# Altium PCB BLDC_DRIVER_1.2_AR.PcbDoc (part 3 of 3)
Units mil, origin at the board's own origin, x right, y up, seen from the top; angles counter-clockwise.
Board outline 6000 x 4990 mil, 4 copper layers (Top Layer, Signal Layer 1, Signal Layer 2, Bottom Layer), stack 33.334 mil thick; 219 components, 206 nets, 924 pads, 380 vias.
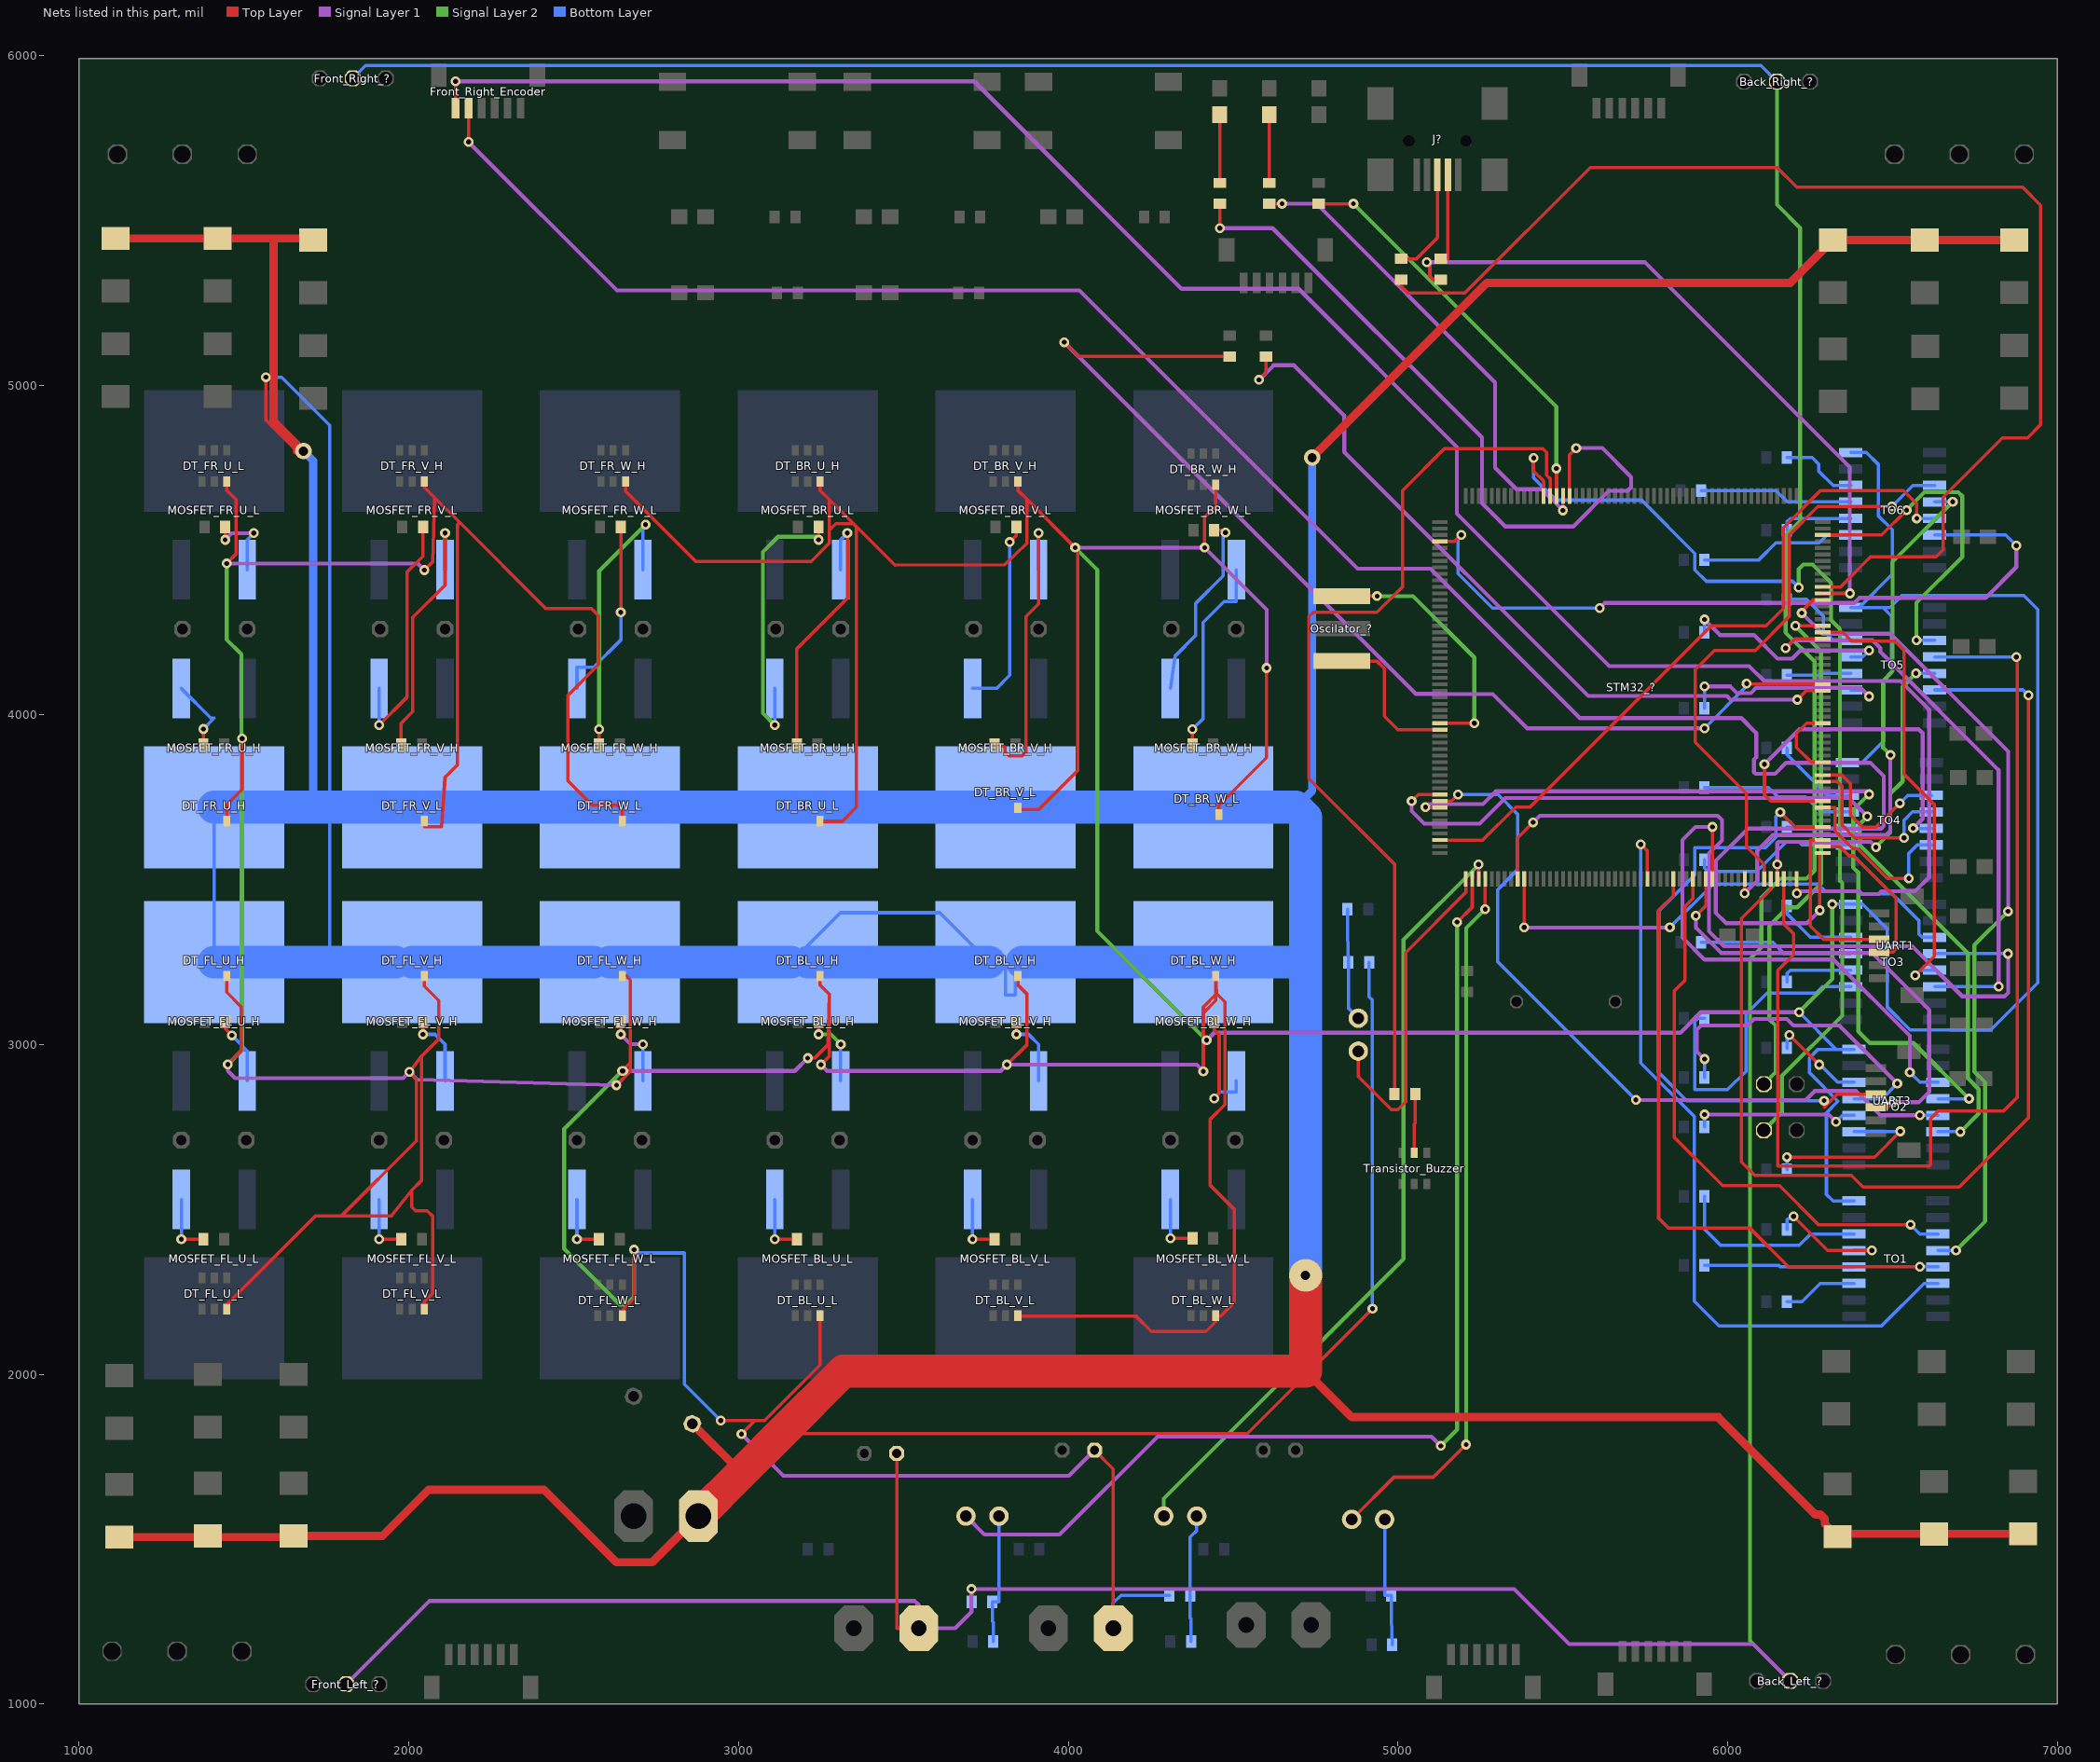
[diagram p5: the nets of this part, all layers, seen from the top]

## Via types
v1: diameter 30, hole 15, Top Layer to Bottom Layer, 359 vias
v2: diameter 50, hole 28, Top Layer to Bottom Layer, 14 vias
v3: diameter 160, hole 160, Top Layer to Bottom Layer, 4 vias
v4: diameter 59.06, hole 47.24, Top Layer to Bottom Layer, 2 vias
v5: diameter 100, hole 28, Top Layer to Bottom Layer, 1 vias

## Nets (pads, with @x,y where several pads share a name; then routed paths per layer and width w, separated by ;. In a path a pad name is that pad's centre, name@x,y a point inside that pad or via, vN(x,y) a via of type N, cw(c..) or ccw(c..) an arc to the next point about the centre after c; other vN are vias at no path point) (continued)
NetFront_Right_Encoder_5: Front_Right_Encoder.5 STM32_?.105 | length 6689.2
  Top Layer w10: v1(2181.34,5737) Front_Right_Encoder.5@2181.34,5839.61 ; v1(6280,3407) 6280,3580.94 STM32_?.105@6288.58,3580.94
  Signal Layer 1 w12: v1(2181.34,5737) 2631.34,5287 4034,5287 4878,4443 5099,4443 5552,3990 6042,3990 6087,3945 6087,3871 6080,3864 6080,3826 6085,3821 6144,3821 6177.67,3854.67 6433.33,3854.67 6474,3814 6474,3663 6466,3655 6062,3655 5963.99,3556.99 5963.99,3400 5995.99,3368 6241,3368 v1(6280,3407)
NetFront_Right_Encoder_6: Front_Right_Encoder.6 STM32_?.104 | length 6438.5
  Top Layer w10: Front_Right_Encoder.6@2141.97,5839.61 v1(2142,5921) ; STM32_?.104@6209.84,3502.2 6209.84,3459.16 v1(6210,3459)
  Signal Layer 1 w12: v1(2142,5921) 3715,5921 4344,5292 4699,5292 5179,4812 5179,4610 5641,4148 6065.58,4148 6111.39,4102.18 6524.53,4102.18 6612,4014.71 6612,3508 6569,3465 6466.33,3465 6458,3456.67 6408.33,3456.67 6400,3465 6216,3465 v1(6210,3459)
NetG_1: G.1 R180_LED_G.2 | length 207
  Top Layer w10: R180_LED_G.2@4610,5613 G.1@4610,5820
NetJ?_2: J?.2 R22_D-.2 | length 275.9
  Top Layer w10: R22_D-.2@5130,5383 5151.5,5383 J?.2@5151.5,5637.44
NetJ?_3: J?.3 R22_D+.2 | length 326.9
  Top Layer w10: R22_D+.2@5010,5383 5056,5383 5120,5447 J?.3@5120,5637.44
NetJP1_1: JP1.1 R_VMOT1.1 R_VMOT2.2 | length 342.5
  Bottom Layer w10: R_VMOT2.2@4847,3410 4847,3333 R_VMOT1.1@4850,3250 4850,3110 JP1.1@4880,3080
NetJP1_2: JP1.2 STM32_?.53 | length 1022.9
  Top Layer w10: JP1.2@4880,2980 4880,2903 4980,2803 5000,2803 5024,2827 5024,3279.09 5205.91,3461 STM32_?.53@5205.91,3502.2
NetJP2_1: JP2.1 R_VSERVO1.1 R_VSERVO2.2 | length 401.2
  Bottom Layer w10: R_VSERVO2.2@3773,1190 3773,1248 3770,1251 R_VSERVO1.1@3770,1310 3790,1310 JP2.1@3790,1570
NetJP2_2: JP2.2 STM32_?.54 | length 3356.6
  Top Layer w10: v1(5180,3371.41) 5225.59,3417 STM32_?.54@5225.59,3502.2
  Signal Layer 1 w12: JP2.2@3690,1570 3746,1514 3974,1514 4271,1811 5102,1811 v1(5130,1783)
  Signal Layer 2 w12: v1(5130,1783) 5180,1833 v1(5180,3371.41)
NetJP3_1: JP3.1 R_V5_1.1 R_V5_2.2 | length 389.5
  Bottom Layer w10: R_V5_2.2@4373,1190 4373,1258 4370,1261 R_V5_1.1@4370,1330 4370,1506 4390,1526 JP3.1@4390,1570
NetJP3_2: JP3.2 STM32_?.55 | length 2415.5
  Top Layer w10: v1(5245,3546) 5245.28,3545.72 STM32_?.55@5245.28,3502.2
  Signal Layer 2 w12: JP3.2@4290,1570 4290,1623 5017,2350 5017,3318 v1(5245,3546)
NetJP4_1: JP4.1 R_3V3_1.1 R_3V3_2.2 | length 400.1
  Bottom Layer w10: JP4.1@4960,1560 4960,1330 R_3V3_1.1@4980,1330 4980,1258 R_3V3_2.2@4983,1180
NetJP4_2: JP4.2 STM32_?.56 | length 2180.2
  Top Layer w10: JP4.2@4860,1560 4988,1688 5108,1688 v1(5207,1787) ; v1(5264.96,3410.96) STM32_?.56@5264.96,3502.2
  Signal Layer 2 w12: v1(5207,1787) 5207,3353 v1(5264.96,3410.96)
NetLED_UP_2: LED_UP.2 STM32_?.196 | length 3113.9
  Top Layer w10: v1(5412,4779) 5412,4739 5442.13,4708.87 STM32_?.196@5442.13,4663.62
  Signal Layer 2 w12: LED_UP.2@6110,2740 6165,2795 6165,2905 6347.74,3087.74 6347.74,3490 6341,3496.74 6341,4260 6314,4287 6314,4400 6258,4456 6230,4456 6216,4442 v1(6216,4386)
  Bottom Layer w10: v1(5412,4779) 5412,4719 5480,4651 5739,4651 5901,4489 5901,4440 5936,4405 6197,4405 v1(6216,4386)
NetLights_2: Lights.2 STM32_?.140 | length 1610
  Top Layer w10: v1(6205.62,4270) 6205.7,4269.92 STM32_?.140@6288.58,4269.92
  Signal Layer 2 w12: Lights.2@6110,2880 6146,2916 6146,3058 6127,3077 6127,3360 6183.01,3416.01 6211.51,3416.01 6284,3488.5 6284,4191.62 v1(6205.62,4270)
NetMOSFET_BL_U_H_G: MOSFET_BL_U_H.G R_BL_U_H.2 | length 229.4
  Top Layer w10: v1(3243,3031) R_BL_U_H.2@3243,3070
  Signal Layer 2 w12: v1(3243,3031) 3280,3031 v1(3310,3001)
  Bottom Layer w10: MOSFET_BL_U_H.G@3310,2890 v1(3310,3001)
NetMOSFET_BL_U_L_G: MOSFET_BL_U_L.G R_BL_U_L.2 | length 187
  Top Layer w10: v1(3110,2410) R_BL_U_L.2@3177,2410
  Bottom Layer w10: v1(3110,2410) MOSFET_BL_U_L.G@3110,2530
NetMOSFET_BL_V_H_G: MOSFET_BL_V_H.G R_BL_V_H.2 | length 229.4
  Top Layer w10: v1(3843,3031) R_BL_V_H.2@3843,3070
  Bottom Layer w10: v1(3843,3031) 3880,3031 3910,3001 MOSFET_BL_V_H.G@3910,2890
NetMOSFET_BL_V_L_G: MOSFET_BL_V_L.G R_BL_V_L.2 | length 187
  Top Layer w10: v1(3710,2410) R_BL_V_L.2@3777,2410
  Bottom Layer w10: v1(3710,2410) MOSFET_BL_V_L.G@3710,2530
NetMOSFET_BL_W_H_G: MOSFET_BL_W_H.G R_BL_W_H.2 | length 353.7
  Top Layer w10: v1(4443,2837) 4458,2852 4458,3029 4443,3044 R_BL_W_H.2@4443,3070
  Bottom Layer w10: v1(4443,2837) 4463,2857 4510,2857 MOSFET_BL_W_H.G@4510,2890
NetMOSFET_BL_W_L_G: MOSFET_BL_W_L.G R_BL_W_L.2 | length 184.7
  Top Layer w10: v1(4310,2412.28) R_BL_W_L.2@4377,2412.28
  Bottom Layer w10: v1(4310,2412.28) MOSFET_BL_W_L.G@4310,2530
NetMOSFET_BR_U_H_G: MOSFET_BR_U_H.G R_BR_U_H.2 | length 881.7
  Top Layer w10: v1(3243,4531) R_BR_U_H.2@3243,4570
  Signal Layer 2 w12: v1(3110,3969) 3074,4005 3074,4494 3120,4540 3234,4540 v1(3243,4531)
  Bottom Layer w10: v1(3110,3969) MOSFET_BR_U_H.G@3110,4080
NetMOSFET_BR_U_L_G: MOSFET_BR_U_L.G R_BR_U_L.2 | length 823.7
  Top Layer w10: R_BR_U_L.2@3177,3910 3177,4200 3330,4353 v1(3330,4551)
  Bottom Layer w10: MOSFET_BR_U_L.G@3310,4440 3310,4531 v1(3330,4551)
NetMOSFET_BR_V_H_G: MOSFET_BR_V_H.G R_BR_V_H.2 | length 587.9
  Top Layer w10: v1(3823,4524) 3843,4544 R_BR_V_H.2@3843,4570
  Bottom Layer w10: MOSFET_BR_V_H.G@3710,4080 3783,4080 3823,4120 v1(3823,4524)
NetMOSFET_BR_V_L_G: MOSFET_BR_V_L.G R_BR_V_L.2 | length 911.4
  Top Layer w10: R_BR_V_L.2@3777,3910 3799,3910 3809,3900 3809,3887 3820,3876 3860,3876 3872,3888 3872,4298 3910,4336 v1(3910,4551)
  Bottom Layer w10: MOSFET_BR_V_L.G@3910,4440 v1(3910,4551)
NetMOSFET_BR_W_H_G: MOSFET_BR_W_H.G R_BR_W_H.2 | length 574
  Top Layer w10: R_BR_W_H.2@4443,4560 4470,4560 v1(4477,4553)
  Bottom Layer w10: MOSFET_BR_W_H.G@4310,4080 4325,4179 4386,4240 4386,4337 4470,4421 4470,4546 v1(4477,4553)
NetMOSFET_BR_W_L_G: MOSFET_BR_W_L.G R_BR_W_L.2 | length 606.8
  Top Layer w10: R_BR_W_L.2@4377,3910 v1(4377,3956)
  Bottom Layer w10: v1(4377,3956) 4409,3988 4409,4280 4473,4344 4510,4344 MOSFET_BR_W_L.G@4510,4440
NetMOSFET_FL_U_H_G: MOSFET_FL_U_H.G R_FL_U_H.2 | length 207.8
  Top Layer w10: R_FL_U_H.2@1443,3070 1443,3048 v1(1463,3028)
  Bottom Layer w10: v1(1463,3028) 1510,2981 MOSFET_FL_U_H.G@1510,2890
NetMOSFET_FL_U_L_G: MOSFET_FL_U_L.G R_FL_U_L.2 | length 187
  Top Layer w10: v1(1310,2410) R_FL_U_L.2@1377,2410
  Bottom Layer w10: v1(1310,2410) MOSFET_FL_U_L.G@1310,2530
NetMOSFET_FL_V_H_G: MOSFET_FL_V_H.G R_FL_V_H.2 | length 229.4
  Top Layer w10: v1(2043,3031) R_FL_V_H.2@2043,3070
  Bottom Layer w10: v1(2043,3031) 2080,3031 2110,3001 MOSFET_FL_V_H.G@2110,2890
NetMOSFET_FL_V_L_G: MOSFET_FL_V_L.G R_FL_V_L.2 | length 187
  Top Layer w10: v1(1910,2410) R_FL_V_L.2@1977,2410
  Bottom Layer w10: v1(1910,2410) MOSFET_FL_V_L.G@1910,2530
NetMOSFET_FL_W_H_G: MOSFET_FL_W_H.G R_FL_W_H.2 | length 229.4
  Top Layer w10: v1(2643,3031) R_FL_W_H.2@2643,3070
  Signal Layer 1 w12: v1(2643,3031) 2673,3001 v1(2710,3001)
  Bottom Layer w10: MOSFET_FL_W_H.G@2710,2890 v1(2710,3001)
NetMOSFET_FL_W_L_G: MOSFET_FL_W_L.G R_FL_W_L.2 | length 187
  Top Layer w10: v1(2510,2410) R_FL_W_L.2@2577,2410
  Bottom Layer w10: v1(2510,2410) MOSFET_FL_W_L.G@2510,2530
NetMOSFET_FR_U_H_G: MOSFET_FR_U_H.G R_FR_U_H.2 | length 230.9
  Top Layer w10: R_FR_U_H.2@1377,3910 v1(1377,3957)
  Bottom Layer w10: MOSFET_FR_U_H.G@1310,4080 1400,3990 1410,3990 v1(1377,3957)
NetMOSFET_FR_U_L_G: MOSFET_FR_U_L.G R_FR_U_L.2 | length 253.6
  Top Layer w10: v1(1443,4531) R_FR_U_L.2@1443,4570
  Signal Layer 1 w12: v1(1443,4531) 1463,4551 v1(1530,4551)
  Bottom Layer w10: MOSFET_FR_U_L.G@1510,4440 1510,4531 v1(1530,4551)
NetMOSFET_FR_V_H_G: MOSFET_FR_V_H.G R_FR_V_H.2 | length 767.1
  Top Layer w10: v1(1910,3969) 1994.15,4053.15 1994.15,4432.15 2043,4481 R_FR_V_H.2@2043,4570
  Bottom Layer w10: v1(1910,3969) MOSFET_FR_V_H.G@1910,4080
NetMOSFET_FR_V_L_G: MOSFET_FR_V_L.G R_FR_V_L.2 | length 807.1
  Top Layer w10: R_FR_V_L.2@1977,3910 1977,3974.85 2012.15,4010 2012.15,4295.15 2110,4393 v1(2110,4551)
  Bottom Layer w10: MOSFET_FR_V_L.G@2110,4440 v1(2110,4551)
NetMOSFET_FR_W_H_G: MOSFET_FR_W_H.G R_FR_W_H.2 | length 574.4
  Top Layer w10: v1(2643,4311) R_FR_W_H.2@2643,4570
  Bottom Layer w10: MOSFET_FR_W_H.G@2510,4080 2510,4144 2560,4144 2643,4227 v1(2643,4311)
NetMOSFET_FR_W_L_G: MOSFET_FR_W_L.G R_FR_W_L.2 | length 865.7
  Top Layer w10: R_FR_W_L.2@2577,3910 v1(2577,3956)
  Signal Layer 2 w12: v1(2577,3956) 2577,4436 v1(2718,4577)
  Bottom Layer w10: MOSFET_FR_W_L.G@2710,4440 2710,4569 v1(2718,4577)
NetOscilator_?_1: Oscilator_?.1 STM32_?.32 | length 783
  Top Layer w10: Oscilator_?.1@4830,4360 v1(4937,4360) ; STM32_?.32@5127.17,3974.65 5231.65,3974.65 v1(5232,3975)
  Signal Layer 2 w12: v1(4937,4360) 5046,4360 5232,4174 v1(5232,3975)
NetOscilator_?_3: Oscilator_?.3 STM32_?.33 | length 467.8
  Top Layer w10: Oscilator_?.3@4830,4163.15 4935.85,4163.15 4959,4140 4959,3995.96 5000,3954.96 STM32_?.33@5127.17,3954.96
NetR22_D+_1: R22_D+.1 STM32_?.146 | length 3797.2
  Top Layer w10: R22_D+.1@5010,5320 5010,5300 5030,5280 5203.94,5280 5583.94,5660 6150,5660 6210,5600 6895,5600 6950,5545 6950,4880 6910,4840 6834,4840 6654,4660 6654,4500 6633,4479 6434,4479 6343.03,4388.03 STM32_?.146@6288.58,4388.03
NetR22_D-_1: R22_D-.1 STM32_?.145 | length 2089.6
  Top Layer w10: v1(5088,5373) 5097,5364 5097,5330 5107,5320 R22_D-.1@5130,5320 ; STM32_?.145@6288.58,4368.35 v1(6371,4368.35)
  Signal Layer 1 w12: v1(5088,5373) 5749,5373 6371,4751 v1(6371,4368.35)
NetR180_LED_B_1: R180_LED_B.1 STM32_?.194 | length 1246.7
  Top Layer w10: R180_LED_B.1@4760,5550 v1(4865,5550) ; v1(5481,4747) 5481.5,4746.5 STM32_?.194@5481.5,4663.62
  Signal Layer 2 w12: v1(4865,5550) 5481,4934 v1(5481,4747)
NetR180_LED_G_1: R180_LED_G.1 STM32_?.193 | length 1471.6
  Top Layer w10: R180_LED_G.1@4610,5550 v1(4649,5550) ; v1(5501,4620) 5501.18,4620.18 STM32_?.193@5501.18,4663.62
  Signal Layer 1 w12: v1(4649,5550) 4753,5550 5295,5008 5295,4749.07 5360,4684.07 5436.93,4684.07 v1(5501,4620)
NetR180_LED_R_1: R180_LED_R.1 STM32_?.192 | length 2250.9
  Top Layer w10: v1(4460,5476) R180_LED_R.1@4460,5550 ; STM32_?.192@5520.87,4663.62 5520.87,4788.87 v1(5541,4809)
  Signal Layer 1 w12: v1(4460,5476) 4620,5476 5255,4841 5255,4642 5326,4571 5532,4571 5640,4679 5697,4679 5708,4690 5708,4721 5620,4809 v1(5541,4809)
NetR180_LED_R_2: R180_LED_R.2 R.1 | length 207
  Top Layer w10: R180_LED_R.2@4460,5613 R.1@4460,5820
NetR_DT_BL_U_H_1: R_DT_BL_U_H.1 TO2.13 | length 1007.8
  Signal Layer 1 w12: v1(5930,2956) 5907,2979 5907,3045 5920,3058 6060,3058 6080,3078 6180,3078 6200,3058 6338.67,3058 v1(6515,2881.67)
  Bottom Layer w10: R_DT_BL_U_H.1@5930,2900 v1(5930,2956) ; TO2.13@6383.78,2835.67 6469,2835.67 v1(6515,2881.67)
NetR_DT_BL_U_L_1: R_DT_BL_U_L.1 TO2.14 | length 297.5
  Top Layer w10: v1(6188,3029) v1(6278,2939)
  Bottom Layer w10: R_DT_BL_U_L.1@6180,2990 6180,3021 v1(6188,3029) ; v1(6278,2939) 6280.67,2939 6334,2885.67 TO2.14@6383.78,2885.67
NetR_DT_BL_V_H_1: R_DT_BL_V_H.1 TO3.11 | length 943.8
  Bottom Layer w10: R_DT_BL_V_H.1@5930,3080 5911,3080 5901,3070 5901,2863 6000,2863 6056,2919 6056,3092 6120,3156 6269,3156 6288.67,3175.67 TO3.11@6373.78,3175.67
NetR_DT_BL_V_L_1: R_DT_BL_V_L.1 TO3.12 | length 223.6
  Bottom Layer w10: R_DT_BL_V_L.1@6180,3190 6180,3215.67 6190,3225.67 TO3.12@6373.78,3225.67
NetR_DT_BL_W_H_1: R_DT_BL_W_H.1 TO3.13 | length 468
  Bottom Layer w10: R_DT_BL_W_H.1@5920,3310 6138,3310 6172.33,3275.67 TO3.13@6373.78,3275.67
NetR_DT_BL_W_L_1: R_DT_BL_W_L.1 TO3.14 | length 246.3
  Bottom Layer w10: R_DT_BL_W_L.1@6180,3420 6180,3397 6251.33,3325.67 TO3.14@6373.78,3325.67
NetR_DT_BR_U_H_1: R_DT_BR_U_H.1 TO5.13 | length 660.8
  Signal Layer 1 w12: v1(5930,4289) 5977,4242 6080,4242 6151.93,4170.07 6196.07,4170.07 6221,4195 v1(6429,4195)
  Bottom Layer w10: R_DT_BR_U_H.1@5930,4250 v1(5930,4289) ; TO5.13@6373.78,4175.67 6409.67,4175.67 v1(6429,4195)
NetR_DT_BR_U_L_1: R_DT_BR_U_L.1 TO5.14 | length 271.2
  Bottom Layer w10: R_DT_BR_U_L.1@6180,4350 6240,4350 6291,4299 6291,4254.67 6320,4225.67 TO5.14@6373.78,4225.67
NetR_DT_BR_V_H_1: R_DT_BR_V_H.1 TO6.11 | length 475.1
  Bottom Layer w10: R_DT_BR_V_H.1@5930,4470 6095,4470 6147,4522 6278.33,4522 6302,4545.67 TO6.11@6373.78,4545.67
NetR_DT_BR_V_L_1: R_DT_BR_V_L.1 TO6.12 | length 223.6
  Bottom Layer w10: R_DT_BR_V_L.1@6180,4560 6180,4585.67 6190,4595.67 TO6.12@6373.78,4595.67
NetR_DT_BR_W_H_1: R_DT_BR_W_H.1 TO6.13 | length 468
  Bottom Layer w10: R_DT_BR_W_H.1@5920,4680 6147,4680 6181.33,4645.67 TO6.13@6373.78,4645.67
NetR_DT_BR_W_L_1: R_DT_BR_W_L.1 TO6.14 | length 241.2
  Bottom Layer w10: R_DT_BR_W_L.1@6180,4780 6257,4780 6277,4760 6277,4738.67 6320,4695.67 TO6.14@6373.78,4695.67
NetR_DT_FL_U_H_1: R_DT_FL_U_H.1 TO1.11 | length 226.8
  Bottom Layer w10: R_DT_FL_U_H.1@6180,2220 6225.33,2220 6281,2275.67 TO1.11@6383.78,2275.67
NetR_DT_FL_U_L_1: R_DT_FL_U_L.1 TO1.12 | length 455.6
  Bottom Layer w10: R_DT_FL_U_L.1@5930,2330 6156,2330 6160.33,2325.67 TO1.12@6383.78,2325.67
NetR_DT_FL_V_H_1: R_DT_FL_V_H.1 TO1.13 | length 386.4
  Top Layer w10: v1(6200,2479) 6303.33,2375.67 v1(6438,2375.67)
  Bottom Layer w10: R_DT_FL_V_H.1@6180,2440 6180,2469 v1(6200,2479) ; TO1.13@6383.78,2375.67 v1(6438,2375.67)
NetR_DT_FL_V_L_1: R_DT_FL_V_L.1 TO1.14 | length 588.4
  Bottom Layer w10: R_DT_FL_V_L.1@5930,2540 5930,2440 5979,2391 6217.33,2391 6252,2425.67 TO1.14@6383.78,2425.67
NetR_DT_FL_W_H_1: R_DT_FL_W_H.1 TO2.11 | length 556.1
  Top Layer w10: v1(6180,2659) 6446,2659 v1(6524,2737)
  Bottom Layer w10: R_DT_FL_W_H.1@6180,2620 v1(6180,2659) ; TO2.11@6383.78,2735.67 6522.67,2735.67 v1(6524,2737)
NetR_DT_FL_W_L_1: R_DT_FL_W_L.1 TO2.12 | length 509
  Signal Layer 1 w12: v1(5930,2788) 6307,2788 v1(6329,2766)
  Bottom Layer w10: R_DT_FL_W_L.1@5930,2750 v1(5930,2788) ; v1(6329,2766) 6348.67,2785.67 TO2.12@6383.78,2785.67
NetR_DT_FR_U_H_1: R_DT_FR_U_H.1 TO4.11 | length 503.2
  Bottom Layer w10: R_DT_FR_U_H.1@5930,3560 5930,3535 5940,3525 6089,3525 6178,3614 6218,3614 6226.33,3605.67 TO4.11@6363.78,3605.67
NetR_DT_FR_U_L_1: R_DT_FR_U_L.1 TO4.12 | length 185.6
  Bottom Layer w10: R_DT_FR_U_L.1@6180,3660 6271,3660 6275.33,3655.67 TO4.12@6363.78,3655.67
NetR_DT_FR_V_H_1: R_DT_FR_V_H.1 TO4.13 | length 464.6
  Bottom Layer w10: R_DT_FR_V_H.1@5930,3780 6124,3780 6153,3751 6236.67,3751 6282,3705.67 TO4.13@6363.78,3705.67
NetR_DT_FR_V_L_1: R_DT_FR_V_L.1 TO4.14 | length 255.3
  Bottom Layer w10: R_DT_FR_V_L.1@6180,3900 6180,3880 6304.33,3755.67 TO4.14@6363.78,3755.67
NetR_DT_FR_W_H_1: R_DT_FR_W_H.1 TO5.11 | length 654.2
  Signal Layer 1 w12: v1(5930,4086) 6009,4086 6029,4066 6070.82,4066 6087,4082.18 6402.82,4082.18 v1(6429,4056)
  Bottom Layer w10: R_DT_FR_W_H.1@5930,4020 v1(5930,4086) ; TO5.11@6373.78,4075.67 6409.33,4075.67 v1(6429,4056)
NetR_DT_FR_W_L_1: R_DT_FR_W_L.1 TO5.12 | length 196.1
  Bottom Layer w10: R_DT_FR_W_L.1@6180,4120 6276,4120 6281.67,4125.67 TO5.12@6373.78,4125.67
NetR_OUT_1_2: R_OUT_1.2 STM32_?.130 | length 2303.3
  Top Layer w10: v1(4579,5016) 4600,5037 R_OUT_1.2@4600,5087 ; v1(6212,4046) 6239.07,4073.07 STM32_?.130@6288.58,4073.07
  Signal Layer 1 w12: v1(4579,5016) 4623,5060 4685,5060 4837.73,4907.27 4837.73,4797.1 5577.82,4057 5998,4057 6009,4046 v1(6212,4046)
NetR_OUT_2_2: R_OUT_2.2 STM32_?.131 | length 3367
  Top Layer w10: v1(3988,5130) 4031,5087 R_OUT_2.2@4490,5087 ; v1(6058,4095) 6060.24,4092.76 STM32_?.131@6288.58,4092.76
  Signal Layer 1 w12: v1(3988,5130) 5054,4064 5128,4064 5288,4063 5392,3959 v1(5930,3959)
  Bottom Layer w10: v1(5930,3959) 6058,4087 v1(6058,4095)
NetR_TRANSISTOR_Buzzer_1: R_TRANSISTOR_Buzzer.1 STM32_?.195 | length 2799.4
  Top Layer w10: R_TRANSISTOR_Buzzer.1@4990,2850 4990,3547 4730.38,3806.62 4730.38,4298 4743.38,4311 4937,4311 5014,4388 5014,4680 5141,4807 5440,4807 5451,4796 5451,4727 5461.81,4716.19 STM32_?.195@5461.81,4663.62
NetR_TRANSISTOR_Buzzer_2: R_TRANSISTOR_Buzzer.2 Transistor_Buzzer.2 | length 179
  Top Layer w10: Transistor_Buzzer.2@5050,2672.2 5050,2759 5053,2762 R_TRANSISTOR_Buzzer.2@5053,2850
NetSTM32_?_4: STM32_?.4 TO6.6 | length 2308.8
  Top Layer w10: STM32_?.4@5127.17,4525.83 5171.83,4525.83 v1(5192,4546)
  Signal Layer 1 w12: v1(5612,4324) 5627,4339 6384,4339 6400,4355 6783,4355 6876,4448 v1(6876,4513)
  Bottom Layer w10: v1(5192,4546) 5183,4537 5183,4428 5287,4324 v1(5612,4324) ; TO6.6@6628.11,4545.67 6843.33,4545.67 v1(6876,4513)
NetSTM32_?_43: STM32_?.43 TO2.6 | length 2783.3
  Top Layer w10: v1(5042,3738) 5062.11,3758.11 STM32_?.43@5127.17,3758.11
  Signal Layer 1 w12: v1(5042,3738) 5042,3708 5080,3670 5248,3670 5325.92,3747.92 6368.08,3747.92 v1(6424,3692)
  Signal Layer 2 w12: v1(6424,3692) 6401,3669 6401,3604.91 6729,3276.91 6729,2897.67 6761.67,2865 6761.67,2790.57 v1(6706.77,2735.67)
  Bottom Layer w10: TO2.6@6638.11,2735.67 v1(6706.77,2735.67)
NetSTM32_?_44: STM32_?.44 TO2.5 | length 2291.6
  Top Layer w10: STM32_?.44@5127.17,3738.43 5162.43,3738.43 v1(5182.43,3758.43)
  Signal Layer 1 w12: v1(5722,2832) 6237,2832 6264,2859 6390,2859 6463,2786 v1(6583,2786)
  Bottom Layer w10: v1(5182.43,3758.43) 5303.8,3758.43 5362.84,3699.38 5362.84,3529.84 5303.28,3470.28 5303.28,3250.72 v1(5722,2832) ; v1(6583,2786) 6583.33,2785.67 TO2.5@6638.11,2785.67
NetSTM32_?_45: STM32_?.45 TO2.4 | length 2672.8
  Top Layer w10: v1(5084,3720) 5085.26,3718.74 STM32_?.45@5127.17,3718.74
  Signal Layer 1 w12: v1(5084,3720) 5093.43,3729.43 5258.43,3729.43 5296.92,3767.92 6420.08,3767.92 v1(6429,3759)
  Signal Layer 2 w12: v1(6429,3759) 6381,3711 6381,3537 6396.83,3521.17 6396.83,3039.84 6431.67,3005 6563.67,3005 v1(6732.67,2836)
  Bottom Layer w10: TO2.4@6638.11,2835.67 6732.34,2835.67 v1(6732.67,2836)
NetSTM32_?_50: STM32_?.50 TO6.5 | length 2144.3
  Top Layer w10: STM32_?.50@5127.17,3620.32 5257.75,3620.32 5357.44,3720 5401,3720 5951,4270 6116.75,4270 6169,4322.25 6169,4567.25 6281.75,4680 6534,4680 6574,4640 v1(6574,4595.67)
  Bottom Layer w10: v1(6574,4595.67) TO6.5@6628.11,4595.67
NetSTM32_?_61: STM32_?.61 TO3.4 | length 2466.1
  Top Layer w10: STM32_?.61@5363.39,3502.2 5363.39,3627 v1(5410.39,3674)
  Signal Layer 1 w12: v1(5410.39,3674) 5430.39,3694 5970,3694 5983,3681 5983,3619 5943.99,3579.99 5943.99,3343.55 5989.54,3298 6560,3298 6712,3146 6840,3146 6851,3157 v1(6851,3275.67)
  Bottom Layer w10: TO3.4@6628.11,3275.67 v1(6851,3275.67)
NetSTM32_?_62: STM32_?.62 TO3.3 | length 1538.1
  Top Layer w10: v1(5383,3355) 5383.07,3355.07 STM32_?.62@5383.07,3502.2
  Signal Layer 1 w12: v1(5383,3355) v1(5825,3355)
  Bottom Layer w10: v1(5825,3355) 5957,3487 6274,3487 6297,3464 6401,3464 6407.33,3457.67 6499.33,3457.67 6580,3377 6580,3335.67 6590,3325.67 TO3.3@6628.11,3325.67
NetSTM32_?_81: STM32_?.81 TO1.6 | length 2388.7
  Top Layer w10: v1(5737,3607) 5757.09,3586.91 STM32_?.81@5757.09,3502.2
  Bottom Layer w10: v1(5737,3607) 5737,2944 5899,2782 5899,2222 5974,2147 6467,2147 6595.67,2275.67 TO1.6@6638.11,2275.67
NetSTM32_?_85: STM32_?.85 TO1.5 | length 1955.8
  Top Layer w10: STM32_?.85@5835.83,3502.2 5835.83,3452 5791.07,3407.25 5791.07,2472.93 5821,2443 6068,2443 6185,2326 v1(6583,2326)
  Bottom Layer w10: v1(6583,2326) 6583.33,2325.67 TO1.5@6638.11,2325.67
NetSTM32_?_88: STM32_?.88 TO1.3 | length 1727.5
  Top Layer w10: STM32_?.88@5894.88,3502.2 5894.88,3442.88 5871,3419 5871,3195 5839,3163 5839,2718 5985,2572 6158,2572 6276,2454 v1(6555,2454)
  Bottom Layer w10: v1(6555,2454) 6583.33,2425.67 TO1.3@6638.11,2425.67
NetSTM32_?_90: STM32_?.90 UART3.3 | length 1401.6
  Top Layer w10: v1(5903.99,3391) 5934.25,3421.26 STM32_?.90@5934.25,3502.2 ; UART3.3@6449.61,2809.92 6485.92,2809.92 v1(6501,2825)
  Signal Layer 1 w12: v1(5903.99,3391) 5903.99,3354.29 5980.28,3278 6439,3278 6612,3105 6612,2857 6580,2825 v1(6501,2825)
NetSTM32_?_91: STM32_?.91 TO2.3 | length 1582.1
  Top Layer w10: STM32_?.91@5953.94,3502.2 5953.94,3659.94 v1(5954,3660)
  Signal Layer 1 w12: v1(5954,3660) 5903,3660 5863.25,3620.25 5863.25,3324.75 5930,3258 6321.67,3258 6553,3026.67 v1(6553,2916)
  Bottom Layer w10: v1(6553,2916) 6583.33,2885.67 TO2.3@6638.11,2885.67
NetSTM32_?_96: STM32_?.96 TO6.4 | length 1766.1
  Top Layer w10: v1(6052,3459) 6052.36,3459.36 STM32_?.96@6052.36,3502.2
  Signal Layer 1 w12: v1(6052,3459) 6090.38,3497.38 6090.38,3588.73 6136.65,3635 6480,3635 6494,3649 v1(6494,3878)
  Signal Layer 2 w12: v1(6494,3878) 6472,3900 6472,4104 6501,4133 6501,4464 v1(6683,4646)
  Bottom Layer w10: TO6.4@6628.11,4645.67 6682.67,4645.67 v1(6683,4646)
NetSTM32_?_99: STM32_?.99 TO6.3 | length 1823.7
  Top Layer w10: STM32_?.99@6111.42,3502.2 6111.42,3546.58 6058,3600 6058,3761 5902,3917 5902,4137 5960,4195 6084,4195 6187,4298 6187,4545 6274,4632 v1(6499,4632)
  Bottom Layer w10: v1(6499,4632) 6562.67,4695.67 TO6.3@6628.11,4695.67
NetSTM32_?_100: STM32_?.100 TO5.6 | length 3457.6
  Top Layer w10: STM32_?.100@6131.1,3502.2 6131.1,3471.1 6042,3382 6042,2644 6083,2603 6375.49,2603 6410.82,2567.67 6702.67,2567.67 6913,2778 v1(6913,4059)
  Bottom Layer w10: TO5.6@6628.11,4075.67 6896.33,4075.67 v1(6913,4059)
NetSTM32_?_101: STM32_?.101 TO5.5 | length 1050
  Top Layer w10: STM32_?.101@6150.79,3502.2 6150.79,3545.79 v1(6151,3546)
  Signal Layer 1 w12: v1(6151,3546) 6151,3611.51 6154.49,3615 6434,3615 v1(6450,3599)
  Signal Layer 2 w12: v1(6450,3599) 6494,3643 6494,3761 6531,3798 6531,4085 v1(6571.67,4125.67)
  Bottom Layer w10: v1(6571.67,4125.67) TO5.5@6628.11,4125.67
NetSTM32_?_102: STM32_?.102 TO5.4 | length 3383.7
  Top Layer w10: STM32_?.102@6170.47,3502.2 6170.47,3366 6200,3336.47 6200,3272.47 6152,3224.47 6152,2631 6612,2631 6616,2635 6616,2775 6640,2799 6838,2799 6879,2840 6879,4172.67 v1(6876,4175.67)
  Bottom Layer w10: TO5.4@6628.11,4175.67 v1(6876,4175.67)
NetSTM32_?_106: STM32_?.106 UART1.3 | length 496.9
  Top Layer w10: STM32_?.106@6288.58,3600.63 6339.97,3600.63 6368.22,3572.38 6382.48,3572.38 6511.1,3443.76 6511.1,3290 6501.02,3279.92 UART1.3@6459.61,3279.92
NetSTM32_?_107: STM32_?.107 UART1.4 | length 523.4
  Top Layer w10: STM32_?.107@6288.58,3620.32 6251,3620.32 6251,3360 6291.71,3319.29 UART1.4@6459.61,3319.29
NetSTM32_?_109: STM32_?.109 UART3.4 | length 1945.2
  Top Layer w10: v1(6160,3705) 6205.31,3659.69 STM32_?.109@6288.58,3659.69 ; v1(6293,2830) 6293,2810 6332.29,2849.29 UART3.4@6449.61,2849.29
  Bottom Layer w10: v1(6160,3705) 6147,3692 6147,3628.71 6115.29,3597 5901,3597 5901,3514.54 5791.07,3404.61 5791.07,2915.93 5877,2830 v1(6293,2830)
NetSTM32_?_112: STM32_?.112 TO4.6 | length 546.4
  Top Layer w10: STM32_?.112@6288.58,3718.74 6326,3718.74 6326,3648.23 6380,3594.23 6394.11,3594.23 6484.33,3504 v1(6550,3504)
  Bottom Layer w10: v1(6550,3504) 6550,3580 6575.67,3605.67 TO4.6@6618.11,3605.67
NetSTM32_?_113: STM32_?.113 TO4.5 | length 1162
  Top Layer w10: v1(6112,3850) 6112,3757 6130.57,3738.43 STM32_?.113@6288.58,3738.43
  Signal Layer 1 w12: v1(6112,3850) 6218.33,3956.33 6580.25,3956.33 6592,3944.57 6592,3685 v1(6563,3656)
  Bottom Layer w10: v1(6563,3656) 6563.33,3655.67 TO4.5@6618.11,3655.67
NetSTM32_?_116: STM32_?.116 TO4.4 | length 532.3
  Top Layer w10: STM32_?.116@6288.58,3797.48 6332.52,3797.48 6347,3783 6347,3666 6386,3627 v1(6535,3627)
  Bottom Layer w10: v1(6535,3627) 6535,3680 6560.67,3705.67 TO4.4@6618.11,3705.67
NetSTM32_?_117: STM32_?.117 TO4.3 | length 489.9
  Top Layer w10: STM32_?.117@6288.58,3817.17 6347.23,3817.17 6373,3791.39 6373,3696.46 6409.46,3660 6451,3660 v1(6523,3732)
  Bottom Layer w10: v1(6523,3732) 6546.67,3755.67 TO4.3@6618.11,3755.67
NetSTM32_?_119: STM32_?.119 STM32_?.125 | length 233
  Top Layer w10: STM32_?.119@6288.58,3856.54 6253.65,3856.54 6209,3901.18 6209,3943.65 6240,3974.65 STM32_?.125@6288.58,3974.65
NetSTM32_?_138: STM32_?.138 TO3.6 | length 1800.9
  Top Layer w10: v1(6175.96,4202) 6204.51,4230.55 STM32_?.138@6288.58,4230.55
  Signal Layer 1 w12: v1(6175.96,4202) 6199.96,4226 6440,4226 6463.46,4202.54 6463.46,4191.54 6822,3833 v1(6822,3175.67)
  Bottom Layer w10: TO3.6@6628.11,3175.67 v1(6822,3175.67)
NetSTM32_?_139: STM32_?.139 TO3.5 | length 1382.6
  Top Layer w10: STM32_?.139@6288.58,4250.24 6349.76,4250.24 6376,4224 6507,4224 6535,4196 6535,3820 6627,3728 6627,3268 v1(6569,3210)
  Bottom Layer w10: v1(6569,3210) 6584.67,3225.67 TO3.5@6628.11,3225.67
NetSTM32_?_144: STM32_?.144 TO1.4 | length 2543.4
  Top Layer w10: v1(6225,4309) 6225,4313.66 6260,4348.66 STM32_?.144@6288.58,4348.66
  Signal Layer 1 w12: v1(6225,4309) 6288,4246 6494,4246 6851,3889 v1(6851,3404)
  Signal Layer 2 w12: v1(6693,2375.67) 6781.67,2464.34 6781.67,2885 6749,2917.67 6749,3302 v1(6851,3404)
  Bottom Layer w10: TO1.4@6638.11,2375.67 v1(6693,2375.67)
NetSTM32_?_154: STM32_?.154 TO5.3 | length 1031.8
  Top Layer w10: STM32_?.154@6288.58,4545.51 6467.51,4545.51 v1(6543,4621)
  Signal Layer 2 w12: v1(6543,4621) 6597,4675 6700,4675 6712,4663 6712,4479 6573,4340 v1(6573,4226)
  Bottom Layer w10: v1(6573,4226) 6573.33,4225.67 TO5.3@6628.11,4225.67
VCC_5V: 5V_Supply.2 C_5V.1 DT_BL_U_H.6 DT_BL_U_L.6 DT_BL_V_H.6 DT_BL_V_L.6 DT_BL_W_H.6 DT_BL_W_L.6 DT_BR_U_H.6 DT_BR_U_L.6 DT_BR_V_H.6 DT_BR_V_L.6 DT_BR_W_H.6 DT_BR_W_L.6 DT_FL_U_H.6 DT_FL_U_L.6 DT_FL_V_H.6 DT_FL_V_L.6 DT_FL_W_H.6 DT_FL_W_L.6 DT_FR_U_H.6 DT_FR_U_L.6 DT_FR_V_H.6 DT_FR_V_L.6 DT_FR_W_H.6 DT_FR_W_L.6 R_V5_1.2 TO1.16 TO2.16 TO3.16 TO4.16 TO5.16 TO6.16 | length 34227.5
  Top Layer w10: v1(1447.35,4459) 1475.4,4487.06 1475.4,4652.65 1447.4,4680.65 DT_FR_U_L.6@1447.4,4707.72 ; DT_FL_U_L.6@1447.4,2197.72 1447.4,2211 1717.4,2481 1796,2481 ; DT_FL_U_H.6@1447.4,3207.72 1447.4,3159 1491,3115.4 1491,2980 v1(1451,2940) ; DT_FR_U_H.6@1447.4,3677.72 1447.4,3726.95 1494,3773.54 v1(1494,3928) ; v1(2047.35,4439) 2072,4463.65 2078.2,4659.2 ; DT_FL_V_L.6@2047.4,2197.72 2047.4,2220 2072,2244.6 2072,2480 2056,2496 2020,2496 2009,2507 2009,2558.17 ; DT_FL_V_H.6@2047.4,3207.72 2047.4,3177 2091,3133.4 2091,3017 2038,2964 ; DT_FR_V_L.6@2047.4,3677.72 2047.4,3661 2100,3661 2110,3811 2148,3849 2148,4577.4 2154,4583.4 ; DT_FR_V_H.6@2047.4,4707.72 2047.4,4690 2078.2,4659.2 ; v1(2630,2877) 2672,2919 2672,2945 ; v1(2647,2920) v1@2648.5,2921.5 ; DT_FL_W_L.6@2647.4,2177.72 2647.4,2195 2683,2230.6 v1(2683,2378) ; DT_FL_W_H.6@2647.4,3207.72 2647.4,3208 2660,3208 2672,3196 2672,2945 ; DT_FR_W_L.6@2647.4,3677.72 2647.4,3710 2631.95,3725.45 2556.55,3725.45 2482,3800 2482,4058.85 2576.15,4153 2576.15,4300 2553.15,4323 2414.4,4323 2154,4583.4 ; v1(2650,2920) v1@2648.5,2921.5 ; DT_FR_W_H.6@2657.4,4707.72 2657.4,4678 2870.4,4465 3220,4465 3275,4520 3275,4560 3275.4,4560.4 ; v1(2946,1860) 3050,1860 ; v1(3009,1819) 3050,1860 ; v1(3210,2959) 3231,2959 3272,3000 3275.4,3152.65 ; DT_BL_U_L.6@3247.4,2177.72 3247.4,2028.07 3079.33,1860 3050,1860 ; DT_BL_U_H.6@3247.4,3207.72 3247.4,3180.65 3275.4,3152.65 ; DT_BR_U_L.6@3247.4,3677.72 3247.4,3677 3315,3677 3358,3720 3358,4570 3348,4580 3295,4580 3275.4,4560.4 ; DT_BR_U_H.6@3247.4,4707.72 3247.4,4680.65 3275.4,4652.65 ; v1(3250,2939) 3275.4,2964.4 3275.4,3152.65 ; v1(3814.46,2939) 3875.4,2999.95 3875.4,3152.65 3847.4,3180.65 DT_BL_V_H.6@3847.4,3207.72 ; DT_BL_V_L.6@3847.4,2177.72 3847.4,2177 4205,2177 4252.12,2129.88 4417.88,2129.88 4447.4,2159.4 DT_BL_W_L.6@4447.4,2177.72 4463,2177 4504.5,2218.5 4504.5,2499.5 4431,2573 4431,2773.73 4476,2818.73 4476,3129 4450.5,3154.5 ; DT_BR_V_L.6@3847.4,3717.72 3847.4,3713 3911,3713 4029,3831 4029,4499.06 v1(4021.06,4507) 3875.4,4652.65 ; DT_BR_V_H.6@3847.4,4707.72 3847.4,4680.65 3875.4,4652.65 ; C_5V.1@4080,1770 4136.85,1713.15 5V_Supply.2@4136.85,1230 ; v1(4410,2919) v1@4410,3023 ; v1(4414,4507) 4414,4599 4447.4,4632.4 DT_BR_W_H.6@4447.4,4697.72 ; v1(4420,3013) v1@4410,3023 ; DT_BR_W_L.6@4457.4,3697.72 4457.4,3725.4 4602,3870 v1(4602,4142) ; 1796,2481 1947.51,2481 2009,2558.17 ; 1796,2481 2023,2708 2023,2896 v1(2002,2917) 2038,2964 ; 2009,2558.17 2038,2587.17 2038,2964 ; 2078.2,4659.2 2154,4583.4 ; v1@2648.5,2921.5 2672,2945 ; 3275.4,4560.4 3275.4,4652.65 ; 3275.4,4652.65 3474.51,4453.54 3807.24,4455.24 3875.4,4520 3875.4,4652.65 ; v1@4410,3023 4410,3095.65 ; 4410,3095.65 4410,3114 4447.4,3151.4 ; 4410,3095.65 4447.4,3133.06 4447.4,3151.4 ; 4447.4,3151.4 4447.4,3157.6 ; 4447.4,3151.4 4450.5,3154.5 ; 4447.4,3157.6 4450.5,3154.5 ; 4447.4,3157.6 DT_BL_W_H.6@4447.4,3207.72 4450.5,3154.5
  Signal Layer 1 w12: v1(1447.35,4459) 2027.35,4459 v1(2047.35,4439) ; v1(1451,2940) 1451,2920 1473,2898 1983,2898 v1(2002,2917) 2025,2894 v1(2630,2877) ; v1(2650,2920) 3171,2920 v1(3210,2959) ; v1(3009,1819) 3136,1692 4002,1692 C_5V.1@4080,1770 ; v1(3250,2939) 3269,2920 3795.46,2920 v1(3814.46,2939) 4390,2939 v1(4410,2919) ; v1(4021.06,4507) v1(4414,4507) 4602,4319 v1(4602,4142) ; v1(4420,3013) 4443,3036 5857.02,3036 5919.02,3098 v1(6217,3098)
  Signal Layer 2 w12: v1(1447.35,4459) 1447.35,4228.65 1492,4184 1492,2981 ; v1(1451,2940) 1492,2981 ; v1(1494,3928) 1494,2983 1492,2981 ; v1(2647,2920) 2471,2744 2471,2381 2640,2212 2660,2212 2683,2235 v1(2683,2378) ; v1(4021.06,4507) 4088.06,4440 4088.06,3344.94 v1(4420,3013) ; v1(6217,3098) 6318,3199 v1(6318,3425.67)
  Bottom Layer w10: v1(2683,2378) 2693,2368 2836,2368 2836,1970 v1(2946,1860) ; 5V_Supply.2@4136.85,1230 4136.85,1306.85 4160,1330 R_V5_1.2@4307,1330 ; v1(6217,3098) 6329.33,2985.67 ; v1(6318,3425.67) TO3.16@6373.78,3425.67 6409.33,3425.67 6485,3350 6485,3113 6554,3044 6798,3044 6941,3187 6941,4320 6899,4362 6529,4362 6492.67,4325.67 6471.33,4325.67 ; TO4.16@6363.78,3855.67 6408.67,3855.67 6473,3920 6473,4102 6497,4126 6497,4300 6471.33,4325.67 ; TO5.16@6373.78,4325.67 TO5.16@6399,4325.67 ; TO6.16@6373.78,4795.67 6421.33,4795.67 6457,4760 6457,4604 6500,4561 6500,4426.67 TO5.16@6399,4325.67 ; TO1.16@6383.78,2525.67 6320,2525.67 6300,2545.67 6300,2793 6335,2828 6249,2914 6249,2960 6274.67,2985.67 6329.33,2985.67 ; TO2.16@6383.78,2985.67 6329.33,2985.67 ; TO5.16@6399,4325.67 6471.33,4325.67
VCC_MOTOR: C_Motor.1 MOSFET_BL_U_H.D MOSFET_BL_V_H.D MOSFET_BL_W_H.D MOSFET_BR_U_H.D MOSFET_BR_V_H.D MOSFET_BR_W_H.D MOSFET_FL_U_H.D MOSFET_FL_V_H.D MOSFET_FL_W_H.D MOSFET_FR_U_H.D MOSFET_FR_V_H.D MOSFET_FR_W_H.D MOTOR_Supply_1.2 R_VMOT1.2 Schottky_diode_BL_U_H.2 Schottky_diode_BL_V_H.2 Schottky_diode_BL_W_H.2 Schottky_diode_BR_U_H.2 Schottky_diode_BR_V_H.2 Schottky_diode_BR_W_H.2 Schottky_diode_FL_U_H.2 Schottky_diode_FL_V_H.2 Schottky_diode_FL_W_H.2 Schottky_diode_FR_U_H.2 Schottky_diode_FR_V_H.2 Schottky_diode_FR_W_H.2 | length 28977.7
  Top Layer w10: Schottky_diode_FL_U_H.2@1122.13,1506.57 1260.43,1510 Schottky_diode_FL_V_H.2@1390,1510 1643.15,1510 Schottky_diode_FL_W_H.2@1646.57,1506.57 ; v1(1566,5024) 1566,4894 v2@1660,4800 ; 3110,1820 3128.43,1820 4544,1820 v1(4923,2199)
  Top Layer w25: Schottky_diode_FR_U_H.2@1110,5445 Schottky_diode_FR_V_H.2@1420,5445 1590,5445 ; Schottky_diode_FL_W_H.2@1646.57,1506.57 Schottky_diode_FL_W_H.2@1650,1510 1920,1510 2060,1650 2410,1650 2630,1430 2738.43,1430 MOTOR_Supply_1.2@2878.43,1570 ; v2@1660,4800 v2(1680,4800) 1590,4890 1590,5445 ; Schottky_diode_FR_W_H.2@1710,5439.45 1704.45,5445 1590,5445 ; C_Motor.1@2860,1850 3009.21,1700.79 ; 3110,1820 3128.43,1820 ; 4720,2010 4860,1870 5971.69,1870 6267.12,1574.57 6282.53,1574.57 6295.12,1561.98 6295.12,1546.57 Schottky_diode_BL_U_H.2@6333.62,1508.07 6341.7,1516.15 Schottky_diode_BL_W_H.2@6896.11,1516.15 ; v2(4740,4780) 5270,5310 6190,5310 Schottky_diode_BR_U_H.2@6320,5440 Schottky_diode_BR_W_H.2@6870,5440 ; Schottky_diode_FL_U_H.2@1122.13,1506.57 1606.57,1506.57 1390,1506.57 Schottky_diode_FL_U_H.2@1122.13,1506.57
  Top Layer w100: MOTOR_Supply_1.2@2878.43,1570 3009.21,1700.79 3128.43,1820 3318.43,2010 4720,2010 v5(4720,2300)
  Bottom Layer w10: MOSFET_FL_U_H.D@1400.24,3260 1410,3269.76 MOSFET_FR_U_H.D@1410,3719.76 ; v1(1566,5024) 1614,5024 1760,4878 1760,3290.24 1800,3250.24 1960,3250.24 MOSFET_FL_V_H.D@2010,3250.24 MOSFET_FL_W_H.D@2610,3250.24 ; MOSFET_BL_U_H.D@3160,3250.24 3309.76,3400 3610.24,3400 MOSFET_BL_V_H.D@3760,3250.24 ; MOSFET_BL_V_H.D@3810,3250.24 3810,3150 3840,3150 3840,3250.24 MOSFET_BL_V_H.D@3860,3250.24 ; R_VMOT1.2@4913,3250 4913,3145 4923,3135 v1(4923,2199)
  Bottom Layer w25: MOSFET_FL_U_H.D@1400.24,3260 MOSFET_FL_U_H.D@1410,3250.24 ; v2(1680,4800) 1710,4770 1710,3719.76 ; 4689.76,3719.76 4740,3770 v2(4740,4780)
  Bottom Layer w100: MOSFET_FL_U_H.D@1410,3250.24 MOSFET_FL_V_H.D@1960,3250.24 ; MOSFET_FR_U_H.D@1410,3719.76 1710,3719.76 MOSFET_FR_V_H.D@2010,3719.76 MOSFET_FR_W_H.D@2610,3719.76 MOSFET_BR_U_H.D@3210,3719.76 MOSFET_BR_V_H.D@3810,3719.76 MOSFET_BR_W_H.D@4410,3719.76 4689.76,3719.76 4720,3689.53 4720,3250 ; MOSFET_FL_V_H.D@2010,3250.24 MOSFET_FL_W_H.D@2560,3250.24 ; MOSFET_FL_W_H.D@2610,3250.24 MOSFET_BL_U_H.D@3160,3250.24 ; MOSFET_BL_U_H.D@3210,3250.24 MOSFET_BL_V_H.D@3760,3250.24 ; MOSFET_BL_V_H.D@3860,3250.24 MOSFET_BL_W_H.D@4410,3250.24 4410.24,3250 4720,3250 ; v5(4720,2300) 4720,3250
VCC_SERVO: Back_Left_?.2 Back_Right_?.2 C_Servo.1 Front_Left_?.2 Front_Right_?.2 R_VSERVO1.2 Servo_Supply.2 | length 14869.4
  Top Layer w10: C_Servo.1@3480,1760 3480,1230 Servo_Supply.2@3546.85,1230
  Signal Layer 1 w12: Front_Left_?.2@1810,1060 2063,1313 3533.85,1313 3546.85,1300 Servo_Supply.2@3546.85,1230 3657,1230 3707,1280 v1(3707,1349) 5353,1349 5520,1182 6078,1182 Back_Left_?.2@6190,1070
  Signal Layer 2 w12: Back_Right_?.2@6150,5920 6150,5547 6220,5477 6220,4587.88 6175.96,4543.84 6175.96,4250 6264,4161.96 6264,3528.06 6238.94,3503 6160,3503 6103,3446 6103,3295 6068,3260 6068,1192 Back_Left_?.2@6190,1070
  Bottom Layer w10: Front_Right_?.2@1830,5930 1869,5969 6101,5969 Back_Right_?.2@6150,5920 ; R_VSERVO1.2@3707,1310 v1(3707,1349)
pads on no net: ANYFC_F7.7 ANYFC_F7.8 Back_Left_Encoder.7 Back_Left_Encoder.8 Back_Right_Encoder.7 Back_Right_Encoder.8 Buttons.7 Buttons.8 Front_Left_Encoder.7 Front_Left_Encoder.8 Front_Right_Encoder.7 Front_Right_Encoder.8 J?.1 J?.4 J?.MH1 J?.MH2 J?.Shell STM32_?.2 STM32_?.7 STM32_?.8 STM32_?.9 STM32_?.10 STM32_?.11 STM32_?.12 STM32_?.13 STM32_?.16 STM32_?.17 STM32_?.18 STM32_?.19 STM32_?.20 STM32_?.21 STM32_?.22 STM32_?.23 STM32_?.24 STM32_?.31 STM32_?.35 STM32_?.38 STM32_?.46 STM32_?.47 STM32_?.57 STM32_?.58 STM32_?.64 STM32_?.65 STM32_?.66 STM32_?.67 STM32_?.68 STM32_?.69 STM32_?.71 STM32_?.74 STM32_?.75 STM32_?.76 STM32_?.77 STM32_?.78 STM32_?.79 STM32_?.80 STM32_?.84 STM32_?.86 STM32_?.89 STM32_?.95 STM32_?.98 STM32_?.108 STM32_?.110 STM32_?.111 STM32_?.120 STM32_?.121 STM32_?.123 STM32_?.124 STM32_?.126 STM32_?.127 STM32_?.129 STM32_?.134 STM32_?.135 STM32_?.141 STM32_?.142 STM32_?.143 STM32_?.147 STM32_?.151 STM32_?.152 STM32_?.153 STM32_?.155 STM32_?.156 STM32_?.157 STM32_?.159 STM32_?.163 STM32_?.164 STM32_?.165 STM32_?.166 STM32_?.167 STM32_?.168 STM32_?.169 STM32_?.172 STM32_?.174 STM32_?.175 STM32_?.176 STM32_?.177 STM32_?.181 STM32_?.182 STM32_?.183 STM32_?.186 STM32_?.187 STM32_?.188 STM32_?.189 STM32_?.190 STM32_?.191 STM32_?.198 STM32_?.200 STM32_?.201 STM32_?.203 STM32_?.205 STM32_?.206 STM32_?.207 STM32_?.208 TO1.7 TO1.10 TO2.7 TO2.10 TO3.7 TO3.10 TO4.7 TO4.10 TO5.7 TO5.10 TO6.7 TO6.10 Transistor_Buzzer.3 Transistor_Buzzer.4 Transistor_Buzzer.5 UART1.7 UART1.8 UART3.7 UART3.8
copper on no net:
  other v3: 2160,1480 5790,1480 5790,5530 2180,5540
  other v4: 2563.46,1365.28 2996.54,1365.28

## Silkscreen, mask and mechanical layers (free items; w line width, h text height)
Top Overlay:
  drawing of 27 lines, arcs and shapes, not listed
  text "-" at 1710,5800 h60
  text "+" at 1810,5800 h60
  text "S" at 1920,5800 h60
  text "S" at 6030,5790 h60
  text "+" at 6130,5790 h60
  text "-" at 6240,5790 h60
  text "Encoder" at 5530,5717.17 h60
  text "Encoder" at 2090,5697.17 h60
  text "LED" at 4530,5680 h60
  text "BL" at 1670,5627.17 h60
  text "BR" at 6210,5587.17 h60
  text "R" at 1090,5520 h60
  text "Y" at 1540,5510 h60
  text "R" at 6880,5510 h60
  text "Y" at 6450,5500 h60
  text "R22" at 4990,5460 h60
  text "C" at 3390,5390 h60
  text "R" at 3120,5380 h60
  text "R" at 3690,5380 h60
  text "C" at 3960,5380 h60
  text "R" at 4240,5380 h60
  text "C" at 2820,5370 h60
  text "Button" at 4170,5220 h60
  text "MK_ESC ver 1.2" at 5020,5127.17 h60
  text "Politechnika" at 2290,5090 h100
  text "Designed by" at 5230,5007.17 h60
  text "R_OUT" at 4430,4970 h60
  text "Warszawska" at 3050,4907.17 h100
  text "Marek Knosala" at 5410,4857.17 h60
  text "2u2F" at 6920,4440 h60 r90
  text "10uF" at 6930,4110 h60 r90
  text "10nF" at 6930,3780 h60 r90
  text "KNR" at 4430,3447.17 h160 r330
  text "Selfie v5" at 2240,3427.17 h130
  text "Selfie v5" at 2240,3427.17 h130
  text "2u2F / ESR" at 5980,3090 h60
  text "100nF" at 6940,3080 h60 r90
  text "R_Buzz" at 5120,2950 h60 r90
  text "R10k" at 4720,2810 h60
  text "MEiL" at 6670,2310 h120 r70
  text "16V / MOTOR" at 2630,1750 h60
  text "GND" at 2470,1627.17 h40
  text "VCC" at 2980,1627.17 h40
  text "5-7V" at 3330,1550 h60
  text "SERVO" at 3290,1440 h60
  text "3V3 / STM32" at 4480,1440 h60
  text "5V / MOSFET" at 3860,1420 h60
  text "Y" at 1500,1377.17 h60
  text "Y" at 6430,1377.17 h60
  text "R" at 6880,1377.17 h60
  text "R" at 1100,1367.17 h60
  text "GND" at 4410,1327.17 h40
  text "FL" at 1670,1317.17 h60
  text "GND" at 3220,1317.17 h40
  text "GND" at 3810,1317.17 h40
  text "FR" at 6240,1317.17 h60
  text "Encoder" at 5600,1247.17 h60
  text "Encoder" at 2020,1227.17 h60
  text "S" at 6070,1140 h60
  text "+" at 6170,1140 h60
  text "-" at 6270,1140 h60
  text "-" at 1690,1137.17 h60
  text "+" at 1790,1137.17 h60
  text "S" at 1900,1137.17 h60
Bottom Overlay:
  text "R_PNP_NPN" at 5862.13,3429.53 h60
  text "Mosfets" at 4527.87,3290.47 h60 r270
  text "Opto-isolators" at 6817.87,3130.47 h60 r270
  text "Opto-isolators" at 6820,3130 h60 r270
  text "3V3-5V_GND" at 4620,1630 h40
  text "SERVO-5V_GND" at 4130,1620 h40
  text "MOTOR-SERVO_GND" at 3590,1550 h40
  text "V_R" at 5210,1320 h60
  text "GND" at 3914.51,1090.47 h40
  text "GND" at 4484.51,1090.47 h40
  text "GND" at 3314.51,1080.47 h40